# Altium PCB BW1098FFC.PcbDoc (part 2 of 3)
Units mm, origin at the board's own origin, x right, y up, seen from the top; angles counter-clockwise.
Board outline 60 x 40 mm, 4 copper layers (Top Copper, Signal Layer 1, Layer 1, Bottom Layer), stack 1.577 mm thick; 78 components, 101 nets, 382 pads, 311 vias.
Unrouted connection lines stored in the file: 1.
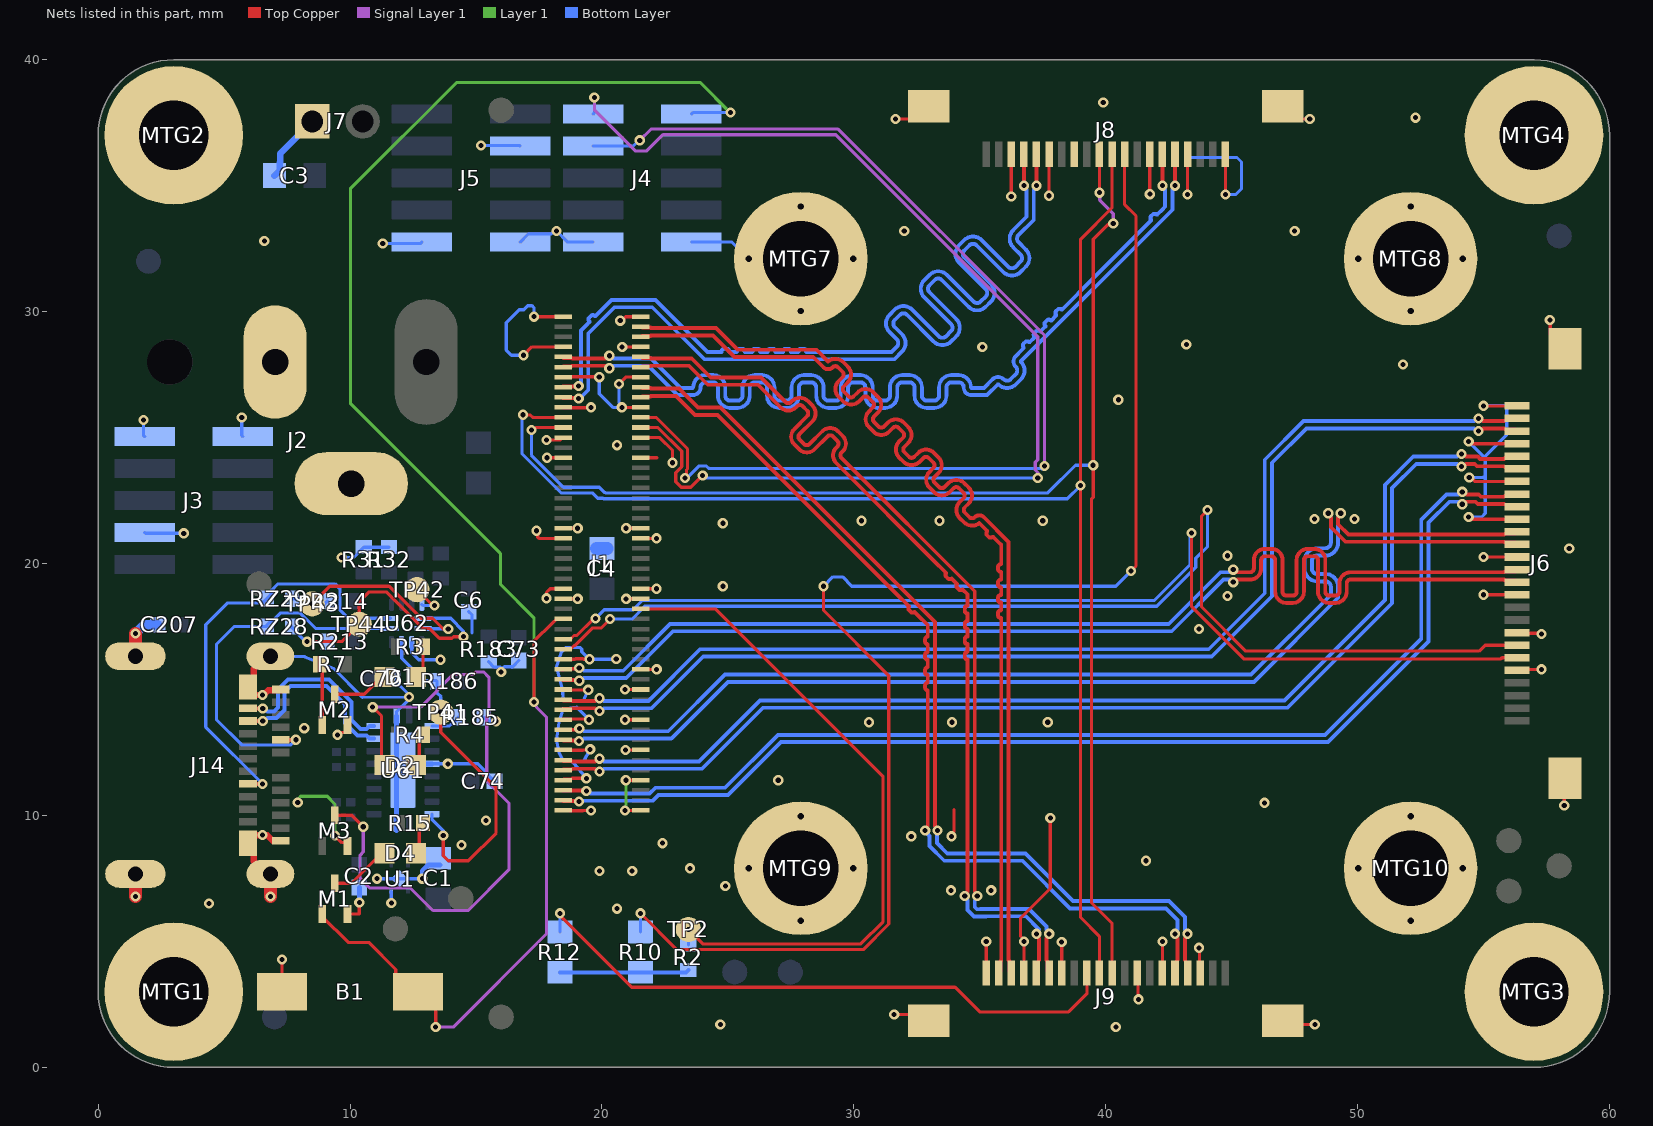
[diagram p4: the nets of this part, all layers, seen from the top]

## Via types
v1: diameter 0.406, hole 0.203, Top Copper to Bottom Layer, tented both sides, 293 vias
v2: diameter 0.508, hole 0.254, Top Copper to Bottom Layer, 16 vias
v3: diameter 0.406, hole 0.203, Top Copper to Bottom Layer, 2 vias

## Nets (pads, with @x,y where several pads share a name; then routed paths per layer and width w, separated by ;. In a path a pad name is that pad's centre, name@x,y a point inside that pad or via, vN(x,y) a via of type N, cw(c..) or ccw(c..) an arc to the next point about the centre after c; other vN are vias at no path point) (continued)
CAM_L_D0_N: J1.89 J8.5 | length 38.4
  Top Copper w0.152: J1.89@18.435,27.8 18.469,27.834 18.801,27.834 18.823,27.855 20.123,27.855 20.226,27.752 v1(20.295,27.752) ; v1(42.748,35.001) v1(42.748,35.001) 42.749,35.749 42.75,35.75 J8.5@42.75,36.25
  Bottom Layer w0.152: v1(20.295,27.752) 20.363,27.752 20.466,27.855 21.832,27.855 23.003,26.685 23.605,26.685 ccw(c23.605,26.996) 23.917,26.996 cw(c24.113,26.996) 24.113,27.193 24.406,27.193 cw(c24.406,26.996) 24.603,26.996 24.603,26.666 ccw(c25.089,26.666) 25.089,26.179 25.382,26.179 ccw(c25.382,26.666) 25.869,26.666 25.869,26.994 cw(c26.065,26.994) 26.065,27.19 26.358,27.19 cw(c26.358,26.994) 26.554,26.994 26.554,26.666 ccw(c27.041,26.666) 27.041,26.179 27.334,26.179 ccw(c27.334,26.666) 27.82,26.666 27.82,26.994 cw(c28.017,26.994) 28.017,27.19 28.31,27.19 cw(c28.31,26.994) 28.506,26.994 28.506,26.666 ccw(c28.993,26.666) 28.993,26.179 29.286,26.179 ccw(c29.286,26.666) 29.772,26.666 29.772,26.994 cw(c29.969,26.994) 29.969,27.19 30.261,27.19 cw(c30.261,26.994) 30.458,26.994 30.458,26.666 ccw(c30.945,26.666) 30.945,26.179 31.237,26.179 ccw(c31.237,26.666) 31.724,26.666 31.724,26.994 cw(c31.92,26.994) 31.92,27.19 32.213,27.19 cw(c32.213,26.994) 32.41,26.994 32.41,26.666 ccw(c32.896,26.666) 32.896,26.179 33.189,26.179 ccw(c33.189,26.666) 33.676,26.666 33.676,26.994 cw(c33.872,26.994) 33.872,27.19 34.165,27.19 cw(c34.165,26.994) 34.361,26.994 ; 34.361,26.996 ccw(c34.673,26.996) 34.673,26.685 35.285,26.685 35.711,27.111 cw(c35.726,27.096) 35.741,27.111 ccw(c36.085,27.455) 36.429,27.111 36.636,27.318 ccw(c36.292,27.662) 36.779,27.662 ccw(c36.292,27.662) 36.636,28.006 cw(c36.652,28.021) 36.636,28.036 42.645,34.045 42.645,34.83 42.748,34.932 v1(42.748,35.001)
CAM_L_D0_P: J1.91 J8.6 | length 38.6
  Top Copper w0.152: J1.91@18.435,28.2 18.469,28.166 18.801,28.166 18.823,28.145 20.123,28.145 20.226,28.248 v1(20.295,28.248) ; J8.6@42.25,36.25 42.25,35.75 42.251,35.749 42.251,35.002 v1(42.252,35.001)
  Bottom Layer w0.152: v1(20.295,28.248) 20.363,28.248 20.466,28.145 21.953,28.145 23.123,26.975 23.605,26.975 ; 23.627,26.996 cw(c24.113,26.996) 24.113,27.483 24.406,27.483 cw(c24.406,26.996) 24.893,26.996 24.893,26.666 ccw(c25.089,26.666) 25.089,26.469 25.382,26.469 ccw(c25.382,26.666) 25.579,26.666 25.579,26.994 cw(c26.065,26.994) 26.065,27.481 26.358,27.481 cw(c26.358,26.994) 26.845,26.994 26.845,26.666 ccw(c27.041,26.666) 27.041,26.469 27.334,26.469 ccw(c27.334,26.666) 27.53,26.666 27.53,26.994 cw(c28.017,26.994) 28.017,27.481 28.31,27.481 cw(c28.31,26.994) 28.796,26.994 28.796,26.666 ccw(c28.993,26.666) 28.993,26.469 29.286,26.469 ccw(c29.286,26.666) 29.482,26.666 29.482,26.994 cw(c29.969,26.994) 29.969,27.481 30.261,27.481 cw(c30.261,26.994) 30.748,26.994 30.748,26.666 ccw(c30.945,26.666) 30.945,26.469 31.237,26.469 ccw(c31.237,26.666) 31.434,26.666 31.434,26.994 cw(c31.92,26.994) 31.92,27.481 32.213,27.481 cw(c32.213,26.994) 32.7,26.994 32.7,26.666 ccw(c32.896,26.666) 32.896,26.469 33.189,26.469 ccw(c33.189,26.666) 33.386,26.666 33.386,26.994 cw(c33.872,26.994) 33.872,27.481 34.165,27.481 cw(c34.165,26.994) 34.651,26.998 ; 34.673,26.975 35.165,26.975 35.506,27.316 cw(c35.726,27.096) 35.946,27.316 ccw(c36.085,27.455) 36.224,27.316 36.431,27.523 ccw(c36.292,27.662) 36.489,27.662 ccw(c36.292,27.662) 36.431,27.801 cw(c36.652,28.021) 36.431,28.242 36.645,28.455 36.738,28.549 ccw(c36.724,28.563) 36.738,28.577 cw(c36.814,28.653) 36.738,28.728 36.803,28.793 cw(c36.878,28.717) 36.954,28.793 ccw(c36.968,28.807) 36.983,28.793 37.169,28.98 ccw(c37.155,28.994) 37.169,29.008 cw(c37.245,29.084) 37.169,29.159 37.234,29.224 cw(c37.309,29.148) 37.385,29.224 ccw(c37.399,29.238) 37.414,29.224 37.6,29.411 ccw(c37.586,29.425) 37.6,29.439 cw(c37.676,29.515) 37.6,29.59 37.665,29.655 cw(c37.74,29.579) 37.816,29.655 ccw(c37.83,29.669) 37.845,29.655 38.031,29.842 ccw(c38.017,29.856) 38.031,29.87 cw(c38.107,29.946) 38.031,30.021 38.096,30.086 cw(c38.172,30.01) 38.247,30.086 ccw(c38.261,30.1) 38.276,30.086 39.5,31.31 41.445,33.255 41.802,33.612 ccw(c41.787,33.626) 41.802,33.641 cw(c41.877,33.716) 41.802,33.792 41.866,33.856 cw(c41.942,33.781) 42.017,33.856 ccw(c42.032,33.871) 42.046,33.856 42.247,34.057 42.355,34.165 42.355,34.83 42.252,34.932 v1(42.252,35.001)
CAM_L_D1_N: J1.83 J8.16 | length 38.4
  Top Copper w0.152: J1.83@18.435,26.6 18.459,26.576 19.052,26.576 v1(19.075,26.552) ; v1(37.248,35.001) 37.249,35.002 37.249,35.749 37.25,35.75 J8.16@37.25,36.25
  Bottom Layer w0.152: v1(19.075,26.552) 19.119,26.552 19.456,26.89 19.456,29.134 20.498,30.175 22,30.175 24.065,28.11 31.61,28.11 31.912,28.412 ccw(c31.568,28.756) 32.055,28.756 ccw(c31.568,28.756) 31.912,29.1 31.623,29.39 cw(c31.762,29.529) 31.623,29.668 31.83,29.875 cw(c31.969,29.736) 32.108,29.875 33.17,28.813 ccw(c33.514,29.157) 33.858,28.813 34.065,29.02 ccw(c33.721,29.364) 34.207,29.364 ccw(c33.721,29.364) 34.065,29.708 33.003,30.77 cw(c33.142,30.909) 33.003,31.048 33.21,31.255 cw(c33.349,31.116) 33.488,31.255 34.55,30.193 ccw(c34.894,30.537) 35.238,30.193 35.445,30.4 ccw(c35.101,30.744) 35.587,30.744 ccw(c35.101,30.744) 35.445,31.088 34.383,32.15 cw(c34.522,32.289) 34.383,32.428 34.59,32.635 cw(c34.729,32.496) 34.868,32.635 35.93,31.573 ccw(c36.274,31.917) 36.618,31.573 36.825,31.78 ccw(c36.481,32.124) 36.967,32.124 ccw(c36.481,32.124) 36.825,32.468 36.536,32.758 cw(c36.675,32.897) 36.536,33.036 37.145,33.645 37.145,34.83 37.248,34.932 v1(37.248,35.001)
CAM_L_D1_P: J1.85 J8.17 | length 38.8
  Top Copper w0.152: J1.85@18.435,27 18.459,27.024 19.052,27.024 v1(19.075,27.048) ; J8.17@36.75,36.25 36.75,35.75 36.751,35.749 v1(36.752,35.001) v1(36.752,35.001)
  Bottom Layer w0.152: v1(19.075,27.048) 19.075,27.116 19.166,27.207 19.166,29.254 19.406,29.494 19.5,29.587 ccw(c19.485,29.602) 19.5,29.616 cw(c19.575,29.691) 19.5,29.767 19.564,29.831 cw(c19.64,29.756) 19.715,29.831 ccw(c19.729,29.846) 19.744,29.831 20.156,30.244 20.378,30.465 22.12,30.465 24.186,28.4 24.6,28.4 24.732,28.4 ccw(c24.732,28.42) 24.752,28.42 cw(c24.859,28.42) 24.859,28.527 24.951,28.527 cw(c24.951,28.42) 25.057,28.42 ccw(c25.078,28.42) 25.078,28.4 25.342,28.4 ccw(c25.342,28.42) 25.362,28.42 cw(c25.469,28.42) 25.469,28.527 25.56,28.527 cw(c25.56,28.42) 25.667,28.42 ccw(c25.687,28.42) 25.687,28.4 25.951,28.4 ccw(c25.951,28.42) 25.972,28.42 cw(c26.078,28.42) 26.078,28.527 26.17,28.527 cw(c26.17,28.42) 26.276,28.42 ccw(c26.297,28.42) 26.297,28.4 26.561,28.4 ccw(c26.561,28.42) 26.581,28.42 cw(c26.688,28.42) 26.688,28.527 26.779,28.527 cw(c26.779,28.42) 26.886,28.42 ccw(c26.906,28.42) 26.906,28.4 27.17,28.4 ccw(c27.17,28.42) 27.191,28.42 cw(c27.297,28.42) 27.297,28.527 27.389,28.527 cw(c27.389,28.42) 27.496,28.42 ccw(c27.516,28.42) 27.516,28.4 27.78,28.4 ccw(c27.78,28.42) 27.8,28.42 cw(c27.907,28.42) 27.907,28.527 27.999,28.527 cw(c27.999,28.42) 28.105,28.42 ccw(c28.126,28.42) 28.126,28.4 28.6,28.4 31.49,28.4 31.707,28.617 ccw(c31.568,28.756) 31.765,28.756 ccw(c31.568,28.756) 31.707,28.895 31.418,29.185 cw(c31.762,29.529) 31.418,29.873 31.625,30.08 cw(c31.969,29.736) 32.313,30.08 33.375,29.018 ccw(c33.514,29.157) 33.653,29.018 33.86,29.225 ccw(c33.721,29.364) 33.917,29.364 ccw(c33.721,29.364) 33.86,29.503 32.798,30.565 cw(c33.142,30.909) 32.798,31.253 33.005,31.46 cw(c33.349,31.116) 33.693,31.46 34.755,30.398 ccw(c34.894,30.537) 35.033,30.398 35.24,30.605 ccw(c35.101,30.744) 35.297,30.744 ccw(c35.101,30.744) 35.24,30.883 34.178,31.945 cw(c34.522,32.289) 34.178,32.633 34.385,32.84 cw(c34.729,32.496) 35.073,32.84 36.135,31.778 ccw(c36.274,31.917) 36.413,31.778 36.62,31.985 ccw(c36.481,32.124) 36.677,32.124 ccw(c36.481,32.124) 36.62,32.263 36.331,32.553 cw(c36.675,32.897) 36.331,33.241 36.855,33.765 36.855,34.83 36.752,34.932 v1(36.752,35.001)
CAM_R_C_N: J1.96 J9.2 | length 41
  Top Copper w0.152: J1.96@21.565,29 21.599,29.034 21.931,29.034 21.953,29.055 24.408,29.055 25.263,28.2 28.39,28.2 28.798,27.791 ccw(c28.978,27.971) 29.158,27.791 cw(c29.266,27.684) 29.373,27.791 29.553,27.611 cw(c29.446,27.504) 29.598,27.504 cw(c29.446,27.504) 29.553,27.396 29.399,27.242 ccw(c29.711,26.929) 29.399,26.616 29.579,26.436 ccw(c29.891,26.749) 30.204,26.436 30.358,26.591 cw(c30.466,26.483) 30.574,26.591 30.754,26.411 cw(c30.646,26.303) 30.798,26.303 cw(c30.646,26.303) 30.754,26.196 30.599,26.041 ccw(c30.912,25.729) 30.599,25.416 30.779,25.236 ccw(c31.092,25.549) 31.404,25.236 31.559,25.39 cw(c31.666,25.283) 31.774,25.39 31.954,25.21 cw(c31.847,25.103) 31.999,25.103 cw(c31.847,25.103) 31.954,24.995 31.8,24.841 ccw(c32.112,24.528) 31.8,24.216 31.98,24.035 ccw(c32.292,24.348) 32.605,24.035 32.759,24.19 cw(c32.867,24.082) 32.975,24.19 33.155,24.01 cw(c33.047,23.902) 33.199,23.902 cw(c33.047,23.902) 33.155,23.795 33,23.64 ccw(c33.313,23.328) 33,23.015 33.18,22.835 ccw(c33.493,23.148) 33.805,22.835 33.96,22.99 cw(c34.067,22.882) 34.175,22.99 34.355,22.809 cw(c34.248,22.702) 34.4,22.702 cw(c34.248,22.702) 34.355,22.594 34.2,22.44 ccw(c34.513,22.127) 34.2,21.815 34.381,21.634 ccw(c34.693,21.947) 34.98,21.61 35.087,21.502 35.288,21.301 cw(c35.274,21.287) 35.288,21.273 ccw(c35.364,21.197) 35.288,21.122 35.353,21.057 ccw(c35.429,21.132) 35.504,21.057 cw(c35.518,21.043) 35.533,21.057 35.734,20.856 35.855,20.735 35.855,20.582 35.855,20.278 35.855,19.993 cw(c35.835,19.993) 35.835,19.973 ccw(c35.835,19.866) 35.728,19.866 35.728,19.775 ccw(c35.835,19.775) 35.835,19.668 cw(c35.835,19.648) 35.855,19.648 35.855,19.384 cw(c35.835,19.384) 35.835,19.363 ccw(c35.835,19.257) 35.728,19.257 35.728,19.165 ccw(c35.835,19.165) 35.835,19.058 cw(c35.835,19.038) 35.855,19.038 35.855,18.774 cw(c35.835,18.774) 35.835,18.754 ccw(c35.835,18.647) 35.728,18.647 35.728,18.555 ccw(c35.835,18.555) 35.835,18.449 cw(c35.835,18.428) 35.855,18.428 35.855,18.164 cw(c35.835,18.164) 35.835,18.144 ccw(c35.835,18.037) 35.728,18.037 35.728,17.946 ccw(c35.835,17.946) 35.835,17.839 cw(c35.835,17.819) 35.855,17.819 35.855,16.662 35.855,4.263 35.824,4.232 35.824,3.824 J9.2@35.75,3.75
CAM_R_C_P: J1.98 J9.3 | length 40.7
  Top Copper w0.152: J1.98@21.565,29.4 21.599,29.366 21.931,29.366 21.953,29.345 24.528,29.345 25.383,28.49 28.51,28.49 28.979,28.021 cw(c29.266,27.684) 29.578,27.997 29.758,27.816 cw(c29.446,27.504) 29.888,27.504 cw(c29.446,27.504) 29.758,27.191 29.604,27.037 ccw(c29.711,26.929) 29.604,26.822 29.784,26.642 ccw(c29.891,26.749) 29.999,26.642 30.153,26.796 cw(c30.466,26.483) 30.779,26.796 30.959,26.616 cw(c30.646,26.303) 31.088,26.303 cw(c30.646,26.303) 30.959,25.991 30.804,25.836 ccw(c30.912,25.729) 30.804,25.621 30.984,25.441 ccw(c31.092,25.549) 31.199,25.441 31.354,25.596 cw(c31.666,25.283) 31.979,25.596 32.159,25.416 cw(c31.847,25.103) 32.289,25.103 cw(c31.847,25.103) 32.159,24.79 32.005,24.636 ccw(c32.112,24.528) 32.005,24.421 32.185,24.241 ccw(c32.292,24.348) 32.4,24.241 32.554,24.395 cw(c32.867,24.082) 33.18,24.395 33.36,24.215 cw(c33.047,23.902) 33.489,23.902 cw(c33.047,23.902) 33.36,23.59 33.205,23.435 ccw(c33.313,23.328) 33.205,23.22 33.385,23.04 ccw(c33.493,23.148) 33.6,23.04 33.755,23.195 cw(c34.067,22.882) 34.38,23.195 34.56,23.015 cw(c34.248,22.702) 34.69,22.702 cw(c34.248,22.702) 34.56,22.389 34.406,22.235 ccw(c34.513,22.127) 34.406,22.02 34.586,21.84 ccw(c34.693,21.947) 34.801,21.84 cw(c34.981,21.66) 35.16,21.84 36.145,20.855 36.145,4.263 36.176,4.232 36.176,3.824 J9.3@36.25,3.75
CAM_R_D0_N: J1.90 J9.5 | length 38
  Top Copper w0.152: J1.90@21.565,27.8 21.599,27.834 21.931,27.834 21.953,27.855 23.445,27.855 24.2,27.1 26.19,27.1 27.085,26.205 ccw(c27.398,26.517) 27.71,26.205 27.754,26.248 cw(c27.861,26.141) 27.969,26.248 28.149,26.068 cw(c28.041,25.961) 28.193,25.961 cw(c28.041,25.961) 28.149,25.853 27.642,25.346 ccw(c27.954,25.034) 27.642,24.721 27.822,24.541 ccw(c28.135,24.854) 28.447,24.541 28.954,25.048 cw(c29.062,24.94) 29.169,25.048 29.349,24.868 cw(c29.242,24.76) 29.394,24.76 cw(c29.242,24.76) 29.349,24.653 29.306,24.609 ccw(c29.618,24.297) 29.306,23.984 33.345,19.945 33.453,19.837 33.668,19.622 ccw(c33.74,19.55) 33.668,19.478 33.74,19.406 ccw(c33.812,19.478) 33.884,19.406 34.099,19.191 ccw(c34.171,19.119) 34.099,19.047 34.171,18.975 ccw(c34.243,19.047) 34.315,18.975 34.507,18.782 34.507,18.63 34.507,18.325 ccw(c34.507,18.224) 34.406,18.224 34.406,18.122 ccw(c34.507,18.122) 34.507,18.02 34.507,17.716 ccw(c34.507,17.614) 34.406,17.614 34.406,17.512 ccw(c34.507,17.512) 34.507,17.411 34.507,17.106 ccw(c34.507,17.004) 34.406,17.004 34.406,16.903 ccw(c34.507,16.903) 34.507,16.801 34.507,16.496 ccw(c34.507,16.395) 34.406,16.395 34.406,16.293 ccw(c34.507,16.293) 34.507,16.192 34.507,15.255 34.507,6.971 34.405,6.869 v1(34.405,6.8) ; v1(37.246,5.3) 37.246,5.231 37.355,5.122 37.355,4.263 37.324,4.232 37.324,3.824 J9.5@37.25,3.75
  Bottom Layer w0.152: v1(34.405,6.8) 34.405,6.731 34.507,6.629 34.507,6.248 34.767,5.989 35.258,5.989 35.269,6 36.833,6 37.355,5.478 37.246,5.369 v1(37.246,5.3)
CAM_R_D0_P: J1.92 J9.6 | length 37.8
  Top Copper w0.152: J1.92@21.565,28.2 21.599,28.166 21.931,28.166 21.953,28.145 23.565,28.145 24.32,27.39 26.31,27.39 27.29,26.41 ccw(c27.398,26.517) 27.505,26.41 27.548,26.453 cw(c27.861,26.141) 28.174,26.453 28.354,26.273 cw(c28.041,25.961) 28.483,25.961 cw(c28.041,25.961) 28.354,25.648 27.847,25.141 ccw(c27.954,25.034) 27.847,24.926 28.027,24.746 ccw(c28.135,24.854) 28.242,24.746 28.749,25.253 cw(c29.062,24.94) 29.374,25.253 29.554,25.073 cw(c29.242,24.76) 29.684,24.76 cw(c29.242,24.76) 29.554,24.447 29.511,24.404 ccw(c29.618,24.297) 29.511,24.189 34.797,18.903 34.797,6.971 34.9,6.869 v1(34.9,6.8) ; J9.6@37.75,3.75 37.676,3.824 37.676,4.232 37.645,4.263 37.645,5.122 37.754,5.231 v1(37.754,5.3)
  Bottom Layer w0.152: v1(34.9,6.8) 34.9,6.731 34.797,6.629 34.797,6.368 34.887,6.279 35.013,6.279 35.024,6.29 36.953,6.29 37.645,5.598 37.645,5.478 37.754,5.369 v1(37.754,5.3)
CAM_R_D1_N: J1.84 J9.16 | length 37.9
  Top Copper w0.152: J1.84@21.565,26.6 21.599,26.634 21.931,26.634 21.953,26.655 22.934,26.655 23.689,25.9 24.59,25.9 31.872,18.618 31.979,18.51 32.195,18.295 ccw(c32.267,18.223) 32.195,18.151 32.267,18.079 ccw(c32.339,18.151) 32.41,18.079 32.626,17.864 32.841,17.648 32.933,17.557 32.933,17.404 32.933,17.099 ccw(c32.933,16.998) 32.832,16.998 32.832,16.896 ccw(c32.933,16.896) 32.933,16.795 32.933,16.49 ccw(c32.933,16.388) 32.832,16.388 32.832,16.287 ccw(c32.933,16.287) 32.933,16.185 32.933,15.88 ccw(c32.933,15.779) 32.832,15.779 32.832,15.677 ccw(c32.933,15.677) 32.933,15.575 32.933,15.271 ccw(c32.933,15.169) 32.832,15.169 32.832,15.067 ccw(c32.933,15.067) 32.933,14.966 32.933,14.9 32.933,9.569 32.831,9.467 v1(32.831,9.398) ; J9.16@42.75,3.75 42.824,3.824 42.824,4.232 42.855,4.263 42.855,5.129 42.752,5.231 v1(42.752,5.3)
  Bottom Layer w0.152: v1(32.831,9.398) 32.945,9.284 32.945,9.24 33,9.185 33,8.79 33.59,8.2 36.69,8.2 38.58,6.31 42.39,6.31 42.855,5.845 42.855,5.471 42.752,5.369 v1(42.752,5.3)
CAM_R_D1_P: J1.86 J9.17 | length 37.8
  Top Copper w0.152: J1.86@21.565,27 21.599,26.966 21.931,26.966 21.953,26.945 23.054,26.945 23.809,26.19 24.71,26.19 33.223,17.677 33.223,9.569 33.326,9.467 v1(33.326,9.398) ; v1(43.248,5.3) 43.248,5.231 43.145,5.129 43.145,4.263 43.176,4.232 43.176,3.824 J9.17@43.25,3.75
  Bottom Layer w0.152: v1(33.326,9.398) 33.3,9.372 33.3,8.9 33.71,8.49 36.81,8.49 38.7,6.6 42.51,6.6 43.145,5.965 43.145,5.471 43.248,5.369 v1(43.248,5.3)
CC1: J14.A5 RZ28.2 U62.1 | length 14.9
  Top Copper w0.158: J14.A5@7.25,13 7.252,13.002 7.846,13.002 v1(7.849,13.005)
  Bottom Layer w0.127: v1(7.849,13.005) 7.644,12.8 5.7,12.8 4.7,13.8 4.7,16.8 5.4,17.5 RZ28.2@6.7,17.5 6.7,17.55 6.912,17.761 6.962,17.761 7.231,18.031 8.024,18.031 8.631,17.425 U62.1@11.6,17.425
CC2: J14.B5 RZ29.2 U62.2 | length 17
  Top Copper w0.152: J14.B5@5.95,11.25 5.951,11.251 6.527,11.251 v1(6.528,11.252)
  Bottom Layer w0.127: v1(6.528,11.252) 4.271,13.509 4.271,17.571 5.139,18.439 6.538,18.439 RZ29.2@6.7,18.6 6.858,18.758 6.858,18.908 7.14,19.19 9.41,19.19 9.6,19 9.6,18.167 9.942,17.825 U62.2@11.6,17.825
COM_AUX_IO2: J1.42 R2.1 TP2.1 | length 27
  Top Copper w0.127: J1.42@21.565,18.2 24.5,18.2 31.161,11.539 31.161,5.786 30.277,4.902 24.003,4.902 v1(23.432,5.474)
  Bottom Layer w0.127: R2.1@23.432,4.868 v1(23.432,5.474)
FSIN1: J8.9 R10.2 | length 55.7
  Top Copper w0.127: v1(21.533,6.115) 22.974,4.674 30.371,4.674 31.389,5.691 31.389,15.546 28.8,18.136 v1(28.8,19.1) ; J8.9@40.75,36.25 40.75,35.75 40.75,34.25 41.2,33.8 41.2,19.9 v1(41,19.7)
  Bottom Layer w0.127: R10.2@21.533,5.371 v1(21.533,6.115) ; v1(28.8,19.1) 29.168,19.468 29.553,19.468 29.921,19.1 40.4,19.1 v1(41,19.7)
FSIN2: J9.9 R12.2 | length 24.5
  Top Copper w0.127: v1(18.333,6.115) 18.386,6.062 18.386,5.974 21.18,3.181 34.019,3.181 35,2.2 38.524,2.2 39.25,2.926 J9.9@39.25,3.75
  Bottom Layer w0.127: R12.2@18.333,5.371 v1(18.333,6.115)
GND: B1.1 C1.1 C2.1 C3.1 C4.1 C6.1 C73.1 C74.1 C76.1 C207.1 J1.1 J1.2 J1.7 J1.8 J1.13 J1.14 J1.19 J1.20 J1.25 J1.26 J1.30 J1.31 J1.43 J1.44 J1.45 J1.46 J1.55 J1.56 J1.57 J1.58 J1.71 J1.72 J1.75 J1.76 J1.81 J1.82 J1.87 J1.88 J1.93 J1.94 J1.99 J1.100 J2.2 J2.3 J3.3 J3.9 J3.10 J4.9 J4.10 J5.3 J5.9 J5.10 J6.5 J6.8 J6.11 J6.14 J6.17 J6.20 J6.23 J6.26 J6.MP1 J6.MP2 J7.P1 J8.1 J8.4 J8.7 J8.13 J8.15 J8.18 J8.MP1 J8.MP2 J9.1 J9.4 J9.7 J9.13 J9.15 J9.18 J9.MP1 J9.MP2 J14.A1 J14.A12 J14.B1 J14.B12 J14.SH1 J14.SH2 J14.SH3 J14.SH4 M1.2 M2.2 M3.2 MTG1.1 MTG2.1 MTG3.1 MTG4.1 MTG7.1 MTG8.1 MTG9.1 MTG10.1 R31.2 R32.2 R183.1 R185.2 U1.2 U1.5 U61.5 U61.11 U61.20 U61.21 U62.10 | length 162.4
  Top Copper w0.127: B1.1@7.3,3 v1(7.3,4.277) ; v1(9.4,9.2) 9.678,8.922 9.813,8.922 9.9,8.835 M3.2@9.9,8.79 ; v1(9.5,13.2) 9.576,13.2 9.674,13.299 9.882,13.299 9.913,13.33 9.913,13.517 M2.2@9.986,13.59 ; M1.2@10,6.09 10.37,6.09 v1(10.37,6.54) ; v1(16.891,28.27) 17.221,28.6 J1.93@18.435,28.6 ; v1(17.303,29.8) J1.99@18.435,29.8 ; v1(17.4,21.3) 17.453,21.246 17.453,21.046 17.5,21 J1.55@18.435,21 ; v1(17.8,18.62) 17.8,18.856 17.944,19 J1.45@18.435,19 ; v1(17.8,24.9) 18.335,24.9 J1.75@18.435,25 ; v1(17.824,24.2) J1.71@18.435,24.2 ; J1.1@18.435,10.2 J1.1@18.46,10.2 18.7,10.2 18.71,10.19 19.247,10.19 19.257,10.2 v1(19.569,10.2) ; J1.7@18.435,11.4 18.481,11.446 18.793,11.446 18.821,11.474 v1(19.38,11.474) ; J1.13@18.435,12.6 J1.13@18.46,12.6 18.7,12.6 18.71,12.59 19.247,12.59 19.255,12.598 19.507,12.598 v1(19.533,12.624) ; J1.19@18.435,13.8 18.46,13.825 19.465,13.825 v1(19.49,13.8) ; J1.25@18.435,15 18.449,14.986 18.939,14.986 18.947,14.978 19.253,14.978 19.261,14.986 v1(19.456,14.986) ; J1.31@18.435,16.2 J1.31@18.46,16.2 18.925,16.2 18.947,16.222 19.253,16.222 19.275,16.2 v1(19.502,16.2) ; J1.43@18.435,18.6 J1.43@18.46,18.6 v1(19.038,18.6) ; J1.57@18.435,21.4 J1.57@18.46,21.4 v1(19.038,21.4) ; J1.81@18.435,26.2 18.451,26.184 19.555,26.184 v1(19.571,26.2) ; J1.87@18.435,27.4 18.451,27.416 19.879,27.416 v1(19.895,27.4) ; v1(20.676,27.127) 20.948,27.4 J1.88@21.54,27.4 J1.88@21.565,27.4 ; v1(20.726,29.642) 20.782,29.642 20.94,29.8 J1.100@21.54,29.8 J1.100@21.565,29.8 ; v1(20.79,26.2) J1.82@21.54,26.2 J1.82@21.565,26.2 ; v1(20.803,28.6) J1.94@21.54,28.6 J1.94@21.565,28.6 ; v1(20.912,13.8) J1.20@21.54,13.8 J1.20@21.565,13.8 ; v1(20.919,10.2) J1.2@21.54,10.2 J1.2@21.565,10.2 ; v1(20.918,15) J1.26@21.54,15 J1.26@21.565,15 ; v1(20.931,12.6) J1.14@21.54,12.6 J1.14@21.565,12.6 ; v1(20.95,11.4) J1.8@21.54,11.4 J1.8@21.565,11.4 ; v1(20.962,18.6) J1.44@21.54,18.6 J1.44@21.565,18.6 ; v1(20.962,21.4) J1.58@21.54,21.4 J1.58@21.565,21.4 ; J1.30@21.565,15.8 v1(22.173,15.8) ; J1.46@21.565,19 v1(22.168,19) ; J1.56@21.565,21 v1(22.168,21) ; J1.72@21.565,24.2 22.176,24.2 ; J1.76@21.565,25 22.3,25 22.8,24.5 v1(22.8,24) ; v1(31.6,2.1) 32.725,2.1 J9.MP1@32.975,1.85 ; v1(31.656,37.65) 32.475,37.65 J8.MP2@32.975,38.15 ; v1(33.876,9.17) 33.876,9.246 33.971,9.341 33.971,10.229 ; J9.1@35.25,3.75 35.25,4.25 35.253,4.253 35.253,4.997 v1(35.255,5) ; v1(36.25,34.574) 36.25,35.75 J8.18@36.25,36.25 ; J9.4@36.75,3.75 v1(36.75,5) 36.75,5.075 36.611,5.214 36.611,5.911 37.8,7.1 v1(37.8,9.9) ; v1(37.75,34.6) 37.75,35.75 J8.15@37.75,36.25 ; J9.7@38.25,3.75 38.25,4.25 v1(38.25,4.976) ; J9.13@41.25,3.75 41.275,3.725 41.275,2.725 v1(41.3,2.7) ; v1(41.75,34.663) 41.75,35.75 J8.7@41.75,36.25 ; J9.15@42.25,3.75 v1(42.25,4.994) ; v1(43.25,34.652) 43.25,35.75 J8.4@43.25,36.25 ; v1(43.705,4.746) 43.727,4.723 43.727,3.773 J9.18@43.75,3.75 ; v1(44.75,34.65) 44.75,35.75 J8.1@44.75,36.25 ; J9.MP2@47.025,1.85 47.175,1.7 v1(48.3,1.7) ; J8.MP1@47.025,38.15 47.525,37.65 v1(48.1,37.65) ; v1(54.407,21.844) 54.482,21.844 54.567,21.759 55.728,21.759 J6.17@56.328,21.759 ; v1(54.407,24.841) 54.482,24.841 54.564,24.759 55.728,24.759 J6.23@56.328,24.759 ; v1(54.432,23.419) 54.487,23.419 54.646,23.259 55.728,23.259 J6.20@56.328,23.259 ; v1(55,18.759) 55.728,18.759 J6.11@56.328,18.759 ; v1(55,20.259) 55.728,20.259 J6.14@56.328,20.259 ; v1(55,26.259) 55.728,26.259 J6.26@56.328,26.259 ; J6.5@56.328,15.759 56.369,15.8 v1(57.3,15.8) ; J6.8@56.328,17.259 56.358,17.23 57.27,17.23 v1(57.3,17.2) ; v1(57.628,29.672) 57.642,29.658 57.642,29.121 J6.MP2@58.228,28.534 ; v1(58.2,10.4) 58.2,11.456 J6.MP1@58.228,11.484
  Top Copper w0.25: J14.SH4@6.84,7.68 6.67,7.68 6.175,8.175 6.175,8.675 5.95,8.9 6.27,9.22 v1(6.528,9.22) 6.709,9.22 6.93,9 J14.A12@7.25,9 ; J14.SH1@6.84,16.32 6.67,16.32 6.175,15.825 6.175,15.621 6.175,15.325 J14.B12@5.95,15.1 5.95,15.008 6.175,14.783 v1(6.528,14.783) 6.56,14.783 6.752,14.975 7.225,14.975 J14.A1@7.25,15
  Top Copper w0.508: v1(1.48,6.78) J14.SH3@1.48,7.68 ; J14.SH2@1.48,16.32 v1(1.48,17.22) ; v1(6.84,6.78) J14.SH4@6.84,7.68
  Layer 1 w0.127: v1(7.925,10.516) 7.977,10.568 7.977,10.692 8.051,10.766 9.089,10.766 9.4,10.455 v1(9.4,9.2) ; v1(20.919,10.2) 20.95,10.232 v1(20.95,11.4)
  Bottom Layer w0.127: v1(1.8,25.7) 1.8,25.09 J3.9@1.85,25.04 ; J3.3@1.85,21.23 1.88,21.2 v1(3.4,21.2) ; v1(5.7,25.8) 5.7,25.09 J3.10@5.75,25.04 ; J14.SH1@6.84,16.32 8.2,16.3 9.347,15.833 10.493,14.687 v1(12.345,14.7) ; v1(9.672,20.241) 10.142,20.241 R31.2@10.55,20.65 R32.2@11.55,20.65 ; v1(11.07,7.49) U1.5@11.97,7.49 v1(12.87,7.49) 12.87,7.618 v1@12.871,7.619 ; v1(11.3,32.7) 12.79,32.7 J5.10@12.85,32.76 ; v1(11.64,6.521) U1.2@11.64,6.98 ; C76.1@11.7,15.425 12.345,14.781 v1(12.345,14.7) ; U61.21@11.85,11.55 U61.21@12.35,12.05 ; U61.20@11.85,13.95 11.85,14.125 12.345,14.62 v1(12.345,14.7) ; U62.10@12.45,16.875 12.45,16.455 12.725,16.18 v1(13.589,16.18) ; U61.5@13.25,12.05 v1(13.883,12.05) 15.078,12.05 15.487,11.641 15.487,11.6 C74.1@15.734,11.354 ; C6.1@14.716,18.093 14.841,17.967 14.841,17.239 ; v1(15.2,36.6) 16.72,36.6 J5.3@16.75,36.57 ; R185.2@15.3,13.9 15.459,13.741 v1(15.799,13.741) ; R183.1@15.5,16.1 15.712,15.889 15.962,15.889 16,15.85 v1@16,15.774 ; v1(16,15.7) v1@16,15.774 ; C73.1@16.7,16.15 16.454,15.904 16.129,15.904 v1@16,15.774 ; J5.9@16.75,32.76 17.067,33.077 17.973,33.077 18.097,33.2 v1(18.2,33.2) 18.64,32.76 J4.10@19.65,32.76 ; v1(16.891,28.27) 16.408,28.27 16.205,28.473 16.205,29.565 16.713,30.074 16.896,30.074 17.054,30.232 17.229,30.232 17.303,30.157 v1(17.303,29.8) ; v1(19.38,11.474) 18.812,12.166 ; v1(19.456,14.986) 19.272,14.545 18.452,14.583 18.442,14.993 18.2,15.9 18.4,16.5 18.572,16.672 19.126,16.672 19.2,16.598 19.2,16.502 v1(19.502,16.2) 20.556,16.2 v1(20.569,16.213) ; v1(19.49,13.8) 19,14.3 18.452,14.217 18.3,13.7 18.2,13 18.3,12.5 18.452,12.183 18.812,12.166 ; v1(19.533,12.624) 19.272,12.145 18.812,12.166 ; v1(19.895,27.4) 19.895,26.74 20.434,26.2 v1(20.79,26.2) 20.79,26.276 20.676,26.39 v1(20.676,27.127) ; J4.9@23.55,32.76 25.165,32.76 v2(25.825,32.1) ; v1(43.25,34.652) 43.25,36.011 43.358,36.119 45.212,36.119 45.39,35.941 45.39,34.874 45.166,34.65 v1(44.75,34.65) ; v1(54.407,21.844) 54.915,21.844 55.062,21.991 55.062,23.493 ; v1(54.407,24.841) 55.062,24.186 ; v1(54.432,23.419) 54.988,23.419 55.062,23.493 ; v1(55,26.259) 55,26.279 55.846,26.279 55.921,26.205 55.921,25.121 55.062,24.262 55.062,24.186 ; 55.062,23.493 55.062,24.186
  Bottom Layer w0.203: v1(10.37,6.54) C2.1@10.37,7.14 ; U61.11@11.85,9.4 U61.11@11.85,9.65 11.85,11.55 U61.20@11.85,13.95 ; U61.21@12.35,12.05 U61.5@13.25,12.05 ; v1@12.871,7.619 12.871,7.791 13.12,8.04 C1.1@13.57,8.04
  Bottom Layer w0.254: C3.1@7,35.4 7.206,35.606 7.206,35.906 7.223,35.923 7.223,36.273 J7.P1@8.5,37.55
  Bottom Layer w0.381: v1(1.48,17.22) 1.837,17.577 C207.1@2.369,17.577
  Bottom Layer w0.508: C4.1@19.788,20.6 C4.1@20,20.6 C4.1@20.212,20.6
  other v1: 40.4,1.6 24.7,1.7 20.6,6.3 4.4,6.5 33.854,7.028 35.45,7.028 24.9,7.2 19.9,7.8 21.2,7.8 23.5,7.9 41.6,8.2 14.427,8.827 22.4,8.9 32.28,9.17 15.4,9.8 46.3,10.5 27,11.4 8.181,13.464 30.6,13.7 33.9,13.7 37.7,13.7 43.7,17.4 44.832,18.711 24.8,19.1 44.832,20.307 58.4,20.6 24.8,21.6 30.3,21.7 33.4,21.7 37.5,21.7 48.282,21.768 49.878,21.768 20.6,24.7 40.5,26.5 51.8,27.9 35.1,28.6 43.2,28.7 6.6,32.8 32,33.2 47.5,33.2 52.3,37.7 39.9,38.3
  other v2: 27.9,5.825 52.1,5.825 25.825,7.9 29.975,7.9 50.025,7.9 54.175,7.9 27.9,9.975 52.1,9.975 27.9,30.025 52.1,30.025 29.975,32.1 50.025,32.1 54.175,32.1 27.9,34.175 52.1,34.175
I2C1_SCL: J1.35 J6.6 | length 44.1
  Top Copper w0.127: J1.35@18.485,17 18.745,17 18.89,17.145 19.005,17.145 19.676,17.816 v1(19.741,17.816) ; v1(43.409,21.209) 43.409,18.291 45.495,16.205 55.674,16.205 55.728,16.259 J6.6@56.328,16.259
  Bottom Layer w0.127: v1(19.741,17.816) 20.093,18.168 21.245,18.168 21.608,18.532 40.747,18.532 41.932,18.532 43.346,19.946 43.346,21.071 43.409,21.133 v1(43.409,21.209)
I2C1_SDA: J1.33 J6.7 | length 45.9
  Top Copper w0.127: J1.33@18.745,16.6 18.89,16.745 18.928,16.745 19.62,17.437 19.962,17.437 v1(20.325,17.8) ; v1(44.044,22.123) 43.8,21.88 43.8,18.278 45.555,16.523 54.823,16.523 55.059,16.759 55.728,16.759 J6.7@56.328,16.759
  Bottom Layer w0.127: v1(20.325,17.8) 21.2,17.8 21.703,18.303 40.958,18.303 42.026,18.303 43.575,19.851 43.575,20.207 44.044,20.676 v1(44.044,22.123)
I2C2_SCL: J1.77 J8.11 J9.11 | length 59.2
  Top Copper w0.127: v1(17.2,25.3) 17.276,25.3 17.376,25.4 J1.77@18.435,25.4 ; J8.11@39.75,36.25 39.75,35.75 v1(39.751,34.722) v1(39.751,34.722) ; J9.11@40.25,3.75 40.25,4.25 40.25,5.727 39.432,6.545 39.432,22.556 39.5,22.624 v1(39.5,23.9) 39.5,32.871 40.076,33.446 40.246,33.446 v1(40.3,33.5)
  Signal Layer 1 w0.127: v1(39.751,34.722) 39.758,34.715 39.758,34.426 40.3,33.884 v1(40.3,33.5)
  Bottom Layer w0.127: v1(17.2,25.3) 17.2,24.304 18.472,23.032 19.892,23.032 20.105,22.818 20.138,22.818 20.153,22.803 37.703,22.803 38.8,23.9 v1(39.5,23.9)
I2C2_SDA: J1.79 J8.10 J9.10 | length 59.6
  Top Copper w0.127: v1(16.866,25.908) 16.877,25.896 17.157,25.896 17.253,25.8 J1.79@18.435,25.8 ; J9.10@39.75,3.75 39.75,4.25 39.75,5.2 39,5.95 v1(39,23.1) 39,32.873 40.25,34.123 40.25,35.75 J8.10@40.25,36.25
  Bottom Layer w0.127: v1(16.866,25.908) 16.832,25.874 16.832,24.349 18.377,22.803 19.618,22.803 19.832,22.589 20.043,22.589 20.058,22.574 38.475,22.574 v1(39,23.1)
I2C3_SCL: J1.78 J4.2 | length 46.7
  Top Copper w0.127: J1.78@21.565,25.4 22.223,25.4 23.168,24.455 23.168,23.847 22.932,23.611 22.932,23.247 23.147,23.032 23.532,23.032 v1(24,23.5)
  Signal Layer 1 w0.127: v1(19.7,38.5) 19.7,38.007 21.326,36.381 21.781,36.381 22.419,37.019 29.281,37.019 37.3,29 37.3,24.121 37.2,24.021 37.2,23.716 37.3,23.616 v1(37.3,23.4)
  Bottom Layer w0.127: J4.2@19.65,37.84 19.7,37.89 v1(19.7,38.5) ; v1(24,23.5) 24.1,23.4 v1(37.3,23.4)
I2C3_SDA: J1.80 J4.4 | length 44.9
  Top Copper w0.127: J1.80@21.565,25.8 22.147,25.8 23.397,24.55 23.397,23.753 23.353,23.709 23.353,23.453 v1(23.3,23.4)
  Signal Layer 1 w0.127: v1(21.5,36.8) 21.948,37.248 29.376,37.248 37.568,29.055 v1(37.568,23.868)
  Bottom Layer w0.127: J4.4@19.65,36.57 21.235,36.57 21.465,36.8 v1(21.5,36.8) ; v1(23.3,23.4) 23.379,23.4 23.847,23.868 24.153,23.868 24.253,23.768 37.453,23.768 37.46,23.76 v1(37.568,23.868)
MIPI_C_N: J1.3 J6.18 | length 45.8
  Top Copper w0.152: J1.3@18.435,10.6 18.462,10.573 19.073,10.573 19.087,10.559 v1(19.094,10.559) ; v1(54.153,22.352) 54.222,22.352 54.324,22.455 54.676,22.455 54.766,22.364 55.215,22.364 55.815,22.364 55.846,22.333 56.254,22.333 J6.18@56.328,22.259
  Bottom Layer w0.152: v1(19.094,10.559) 19.113,10.559 19.135,10.581 22.011,10.581 22.24,10.81 25.009,10.81 27.109,12.91 48.82,12.91 52.817,16.907 52.817,21.626 53.646,22.455 53.981,22.455 54.084,22.352 v1(54.153,22.352)
MIPI_C_P: J1.5 J6.19 | length 45.8
  Top Copper w0.152: J1.5@18.435,11 18.449,10.986 19.367,10.986 v1(19.38,10.973) ; v1(54.153,22.847) 54.222,22.847 54.324,22.745 54.796,22.745 54.886,22.654 55.215,22.654 55.815,22.654 55.846,22.686 56.254,22.686 J6.19@56.328,22.759
  Bottom Layer w0.152: v1@19.38,10.945 19.477,10.945 19.551,10.871 21.891,10.871 22.12,11.1 24.888,11.1 26.988,13.2 48.7,13.2 52.527,17.027 52.527,21.746 53.526,22.745 53.981,22.745 54.084,22.847 v1(54.153,22.847)
MIPI_D0_N: J1.9 J6.21 | length 45.9
  Top Copper w0.152: J1.9@18.435,11.8 18.469,11.834 18.801,11.834 18.823,11.855 19.722,11.855 19.831,11.746 v1(19.9,11.746) ; v1(54.127,23.851) 54.196,23.851 54.299,23.953 54.65,23.953 54.739,23.864 55.215,23.864 55.815,23.864 55.846,23.833 56.254,23.833 J6.21@56.328,23.759
  Bottom Layer w0.152: v1(19.9,11.746) 19.969,11.746 20.078,11.855 23.971,11.855 26.391,14.275 47.219,14.275 51.369,18.426 51.369,22.998 52.325,23.953 53.956,23.953 54.059,23.851 v1(54.127,23.851)
MIPI_D0_P: J1.11 J6.22 | length 45.9
  Top Copper w0.152: J1.11@18.435,12.2 18.469,12.166 18.801,12.166 18.823,12.145 19.722,12.145 19.831,12.254 v1(19.9,12.254) ; v1(54.127,24.346) 54.196,24.346 54.299,24.243 54.77,24.243 54.859,24.154 55.215,24.154 55.815,24.154 55.846,24.186 56.254,24.186 J6.22@56.328,24.259
  Bottom Layer w0.152: v1(19.9,12.254) 19.969,12.254 20.078,12.145 23.851,12.145 26.27,14.565 47.098,14.565 51.079,18.546 51.079,23.118 52.205,24.243 53.956,24.243 54.059,24.346 v1(54.127,24.346)
MIPI_D1_N: J1.15 J6.16 | length 45.8
  Top Copper w0.152: J1.15@18.435,13 18.462,12.973 19.073,12.973 19.087,12.959 v1(19.095,12.959) ; v1(49.328,21.996) 49.328,21.928 49.225,21.825 49.225,21.56 49.631,21.154 55.215,21.154 55.815,21.154 55.846,21.186 56.254,21.186 J6.16@56.328,21.259
  Bottom Layer w0.152: v1(19.095,12.959) 19.156,12.959 19.169,12.946 19.278,13.055 22.755,13.055 25,15.3 45.882,15.3 49.225,18.644 49.225,19.079 ccw(c48.721,19.079) 48.721,19.583 48.398,19.583 cw(c48.398,19.798) 48.184,19.798 48.184,20.106 cw(c48.398,20.106) 48.398,20.32 48.721,20.32 ccw(c48.721,20.824) 49.225,20.824 49.225,21.825 49.328,21.928 v1(49.328,21.996)
MIPI_D1_P: J1.17 J6.15 | length 46
  Top Copper w0.152: J1.17@18.435,13.4 J1.17@18.46,13.4 v1@19.046,13.4 ; v1@19.046,13.4 v1@19.061,13.414 ; v1@19.109,13.462 v1(19.104,13.457) ; v1(48.833,21.996) 48.833,21.928 48.935,21.825 48.935,21.44 49.511,20.864 55.215,20.864 55.815,20.864 55.846,20.833 56.254,20.833 J6.15@56.328,20.759 ; v1@19.061,13.414 v1(19.104,13.457) ; v1@19.061,13.414 19.05,13.424 19.082,13.457 v1(19.104,13.457)
  Bottom Layer w0.152: v1@19.098,13.462 v1(19.104,13.457) 19.129,13.431 19.161,13.462 19.278,13.345 22.635,13.345 24.88,15.59 45.761,15.59 48.935,18.764 48.935,19.079 ccw(c48.721,19.079) 48.721,19.293 48.398,19.293 cw(c48.398,19.798) 47.894,19.798 47.894,20.106 cw(c48.398,20.106) 48.398,20.61 48.721,20.61 ccw(c48.721,20.824) 48.935,20.824 48.935,21.825 48.833,21.928 v1(48.833,21.996)
MIPI_D2_N: J1.21 J6.24 | length 45.8
  Top Copper w0.152: J1.21@18.435,14.2 18.469,14.234 18.801,14.234 18.823,14.255 19.722,14.255 19.831,14.146 v1(19.9,14.146) ; v1(54.8,25.262) 54.869,25.262 54.971,25.364 55.215,25.364 55.815,25.364 55.846,25.333 56.254,25.333 J6.24@56.328,25.259
  Bottom Layer w0.152: v1(19.9,14.146) 19.969,14.146 20.078,14.255 21.965,14.255 24.02,16.31 44.21,16.31 46.6,18.7 46.6,24 47.964,25.364 54.629,25.364 54.731,25.262 v1(54.8,25.262)
MIPI_D2_P: J1.23 J6.25 | length 45.8
  Top Copper w0.152: J1.23@18.435,14.6 18.469,14.566 18.801,14.566 18.823,14.545 19.722,14.545 19.831,14.654 v1(19.9,14.654) ; v1(54.8,25.757) 54.869,25.757 54.971,25.654 55.215,25.654 55.815,25.654 55.846,25.686 56.254,25.686 J6.25@56.328,25.759
  Bottom Layer w0.152: v1(19.9,14.654) 19.969,14.654 20.078,14.545 21.845,14.545 23.9,16.6 44.09,16.6 46.31,18.82 46.31,24.12 47.844,25.654 54.629,25.654 54.731,25.757 v1(54.8,25.757)
MIPI_D3_N: J1.27 J6.12 | length 45.8
  Top Copper w0.152: J1.27@18.435,15.4 18.462,15.373 19.073,15.373 v1(19.1,15.346) ; v1(45.06,19.262) 45.128,19.262 45.231,19.364 45.727,19.364 ccw(c45.727,19.807) 46.169,19.807 46.169,20.138 cw(c46.322,20.138) 46.322,20.29 46.576,20.29 cw(c46.576,20.138) 46.728,20.138 46.728,18.881 ccw(c47.17,18.881) 47.17,18.439 47.425,18.439 ccw(c47.425,18.881) 47.867,18.881 47.867,20.138 cw(c48.019,20.138) 48.019,20.29 48.274,20.29 cw(c48.274,20.138) 48.426,20.138 48.426,18.881 ccw(c48.868,18.881) 48.868,18.439 49.123,18.439 ccw(c49.123,18.881) 49.565,18.881 49.565,19.212 cw(c49.717,19.212) 49.717,19.364 55.215,19.364 55.815,19.364 55.846,19.333 56.254,19.333 J6.12@56.328,19.259
  Bottom Layer w0.152: v1(19.1,15.346) 19.169,15.346 19.278,15.455 20.965,15.455 22.82,17.31 42.62,17.31 44.675,19.364 44.888,19.364 44.991,19.262 v1(45.06,19.262)
MIPI_D3_P: J1.29 J6.13 | length 45.8
  Top Copper w0.152: J1.29@18.435,15.8 18.462,15.827 19.073,15.827 v1(19.1,15.854) ; v1(45.06,19.757) 45.128,19.757 45.231,19.654 45.727,19.654 ccw(c45.727,19.807) 45.879,19.807 45.879,20.138 cw(c46.322,20.138) 46.322,20.58 46.576,20.58 cw(c46.576,20.138) 47.018,20.138 47.018,18.881 ccw(c47.17,18.881) 47.17,18.729 47.425,18.729 ccw(c47.425,18.881) 47.577,18.881 47.577,20.138 cw(c48.019,20.138) 48.019,20.58 48.274,20.58 cw(c48.274,20.138) 48.716,20.138 48.716,18.881 ccw(c48.868,18.881) 48.868,18.729 49.123,18.729 ccw(c49.123,18.881) 49.275,18.881 49.275,19.212 cw(c49.717,19.212) 49.717,19.654 55.215,19.654 55.815,19.654 55.846,19.686 56.254,19.686 J6.13@56.328,19.759
  Bottom Layer w0.152: v1(19.1,15.854) 19.169,15.854 19.278,15.745 20.845,15.745 22.7,17.6 42.5,17.6 44.554,19.654 44.888,19.654 44.991,19.757 v1(45.06,19.757)
MODULE_nRST: B1.2 J1.39 J4.1 M1.1 | length 68.5
  Top Copper w0.127: M1.1@8.9,6.09 8.9,5.985 9.925,4.96 10.74,4.96 11.815,3.885 11.815,3.687 12.502,3 B1.2@12.7,3 12.714,3 13.4,2.313 v3(13.4,1.6) ; v1(17.3,14.5) 17.3,16.913 18.042,17.655 18.055,17.655 18.2,17.8 J1.39@18.46,17.8
  Signal Layer 1 w0.127: v3(13.4,1.6) 14.1,1.6 17.8,5.3 17.8,13.9 17.401,14.299 17.401,14.323 17.3,14.424 v1(17.3,14.5)
  Layer 1 w0.127: v1(17.3,14.5) 17.3,17.856 15.968,19.187 15.968,20.405 10.017,26.356 10.017,34.885 14.23,39.097 23.903,39.097 v1(25.1,37.9)
  Bottom Layer w0.127: J4.1@23.55,37.84 23.61,37.9 v1(25.1,37.9)
NetD1_1: D1.1 M2.3 | length 2
  Top Copper w0.127: M2.3@9.5,14.81 10.56,14.81 D1.1@11.25,15.5
NetD1_2: D1.2 R3.1 | length 1.3
  Top Copper w0.127: D1.2@12.75,15.5 12.9,15.65 R3.1@12.9,16.7
NetD2_1: D2.1 M3.3 | length 26.3
  Top Copper w0.127: M3.3@9.425,10.01 10.068,10.01 v1(10.527,9.55) ; v1(10.9,14.3) 11.25,13.95 D2.1@11.25,12
  Signal Layer 1 w0.127: v1(10.527,9.55) 10.527,8.553 10.4,8.426 10.4,7.5 10.684,7.216 10.684,7.214 10.776,7.122 12.396,7.122 13.289,6.229 14.692,6.229 16.306,7.842 16.306,10.494 15.43,11.369 15.43,13.894 15.515,13.979 15.515,15.493 15.315,15.693 14.995,15.693 14.901,15.6 14.1,15.6 12.8,14.3 v1(10.9,14.3)
NetD2_2: D2.2 R4.1 | length 1.3
  Top Copper w0.127: D2.2@12.75,12 12.75,13.05 R4.1@12.9,13.2
NetD4_1: D4.1 M1.3 | length 2.2
  Top Copper w0.127: M1.3@9.5,7.31 10.06,7.31 D4.1@11.25,8.5
NetD4_2: D4.2 R15.1 | length 1.3
  Top Copper w0.127: D4.2@12.75,8.5 12.75,9.55 R15.1@12.9,9.7
NetM2_1: M2.1 R7.1 | length 2.4
  Top Copper w0.127: M2.1@8.9,13.59 R7.1@8.9,16
NetR2_2: R2.2 R10.1 R12.1 | length 5.1
  Bottom Layer w0.152: R12.1@18.333,3.771 23.335,3.771 R2.2@23.432,3.868
NetR185_1: R185.1 U61.2 | length 1.2
  Bottom Layer w0.127: U61.2@13.25,13.55 13.95,13.55 14.038,13.638 14.088,13.638 14.3,13.85 R185.1@14.3,13.9
NetR186_1: R186.1 TP41.1 U61.9 U62.11 | length 13.9
  Top Copper w0.127: v1(13.6,14.1) 13.6,13.297 15.8,11.097 15.8,9.3 14.7,8.2 13.9,8.2 13.7,8.4 v1(13.7,9.2)
  Bottom Layer w0.127: U62.11@12.05,16.875 12.05,16.237 12.926,15.361 13.414,15.361 R186.1@13.45,15.325 13.45,14.87 13.614,14.706 13.6,14.691 v1(13.6,14.1) ; U61.9@13.25,10.05 13.25,9.85 13.7,9.4 v1(13.7,9.2)
NetR213_1: R213.1 RZ28.1 TP44.1 U62.7 | length 12.5
  Top Copper w0.127: v1(8.3,16.9) 9.675,16.9 TP44.1@10.365,17.591 10.365,18.486 10.747,18.868 11.457,18.868 12.906,17.419 13.16,17.419 13.547,17.032 14.044,17.032 14.107,17.095 14.499,17.095 v1(14.501,17.098)
  Bottom Layer w0.127: RZ28.1@7.7,17.5 7.7,17.45 8.25,16.9 R213.1@9.1,16.9 8.617,16.9 ; U62.7@12.9,17.825 13.996,17.825 14.501,17.32 v1(14.501,17.098)
NetR214_1: R214.1 RZ29.1 TP43.1 U62.8 | length 8.9
  Top Copper w0.127: v1(8.5,18.4) 9.197,19.097 11.551,19.097 12.823,17.825 13.275,17.825 13.7,17.4 v1(13.9,17.4)
  Bottom Layer w0.127: RZ29.1@7.7,18.6 8.286,18.6 8.486,18.4 v1(8.5,18.4) 9,18.4 R214.1@9.1,18.5 ; U62.8@12.9,17.425 12.913,17.412 13.888,17.412 v1(13.9,17.4)
NetTP42_1: TP42.1 U62.6 | length 1.5
  Top Copper w0.127: TP42.1@12.661,18.961 13.289,18.334 v1(13.35,18.334)
  Bottom Layer w0.127: U62.6@12.85,18.375 12.891,18.334 v1(13.35,18.334)
RXB_N: J14.B10 U61.18 | length 7.3
  Top Copper w0.158: J14.B10@5.95,13.75 v1(6.534,13.75)
  Bottom Layer w0.158: v1(6.534,13.75) 6.601,13.75 6.721,13.87 7.082,13.87 7.392,14.18 7.392,14.892 7.64,15.14 9.06,15.14 9.8,14.4 9.8,13.675 10.305,13.17 10.655,13.17 10.775,13.05 U61.18@10.95,13.05
RXB_P: J14.B11 U61.19 | length 7.3
  Top Copper w0.158: J14.B11@5.95,14.25 v1(6.534,14.25)
  Bottom Layer w0.158: v1(6.534,14.25) 6.601,14.25 6.721,14.13 6.974,14.13 7.132,14.288 7.132,15 7.533,15.4 9.167,15.4 10.06,14.508 10.06,13.783 10.413,13.43 10.655,13.43 10.775,13.55 U61.19@10.95,13.55